# Altium PCB CMRat_GEN2.8.PcbDoc (part 3 of 4)
Units mm, origin at the board's own origin, x right, y up, seen from the top; angles counter-clockwise.
Board outline 120 x 55 mm, 4 copper layers (L1 [TOP], L2, L3, L4 [BOT]), stack 1.564 mm thick; 209 components, 138 nets, 839 pads, 645 vias.
Unrouted connection lines stored in the file: 141.
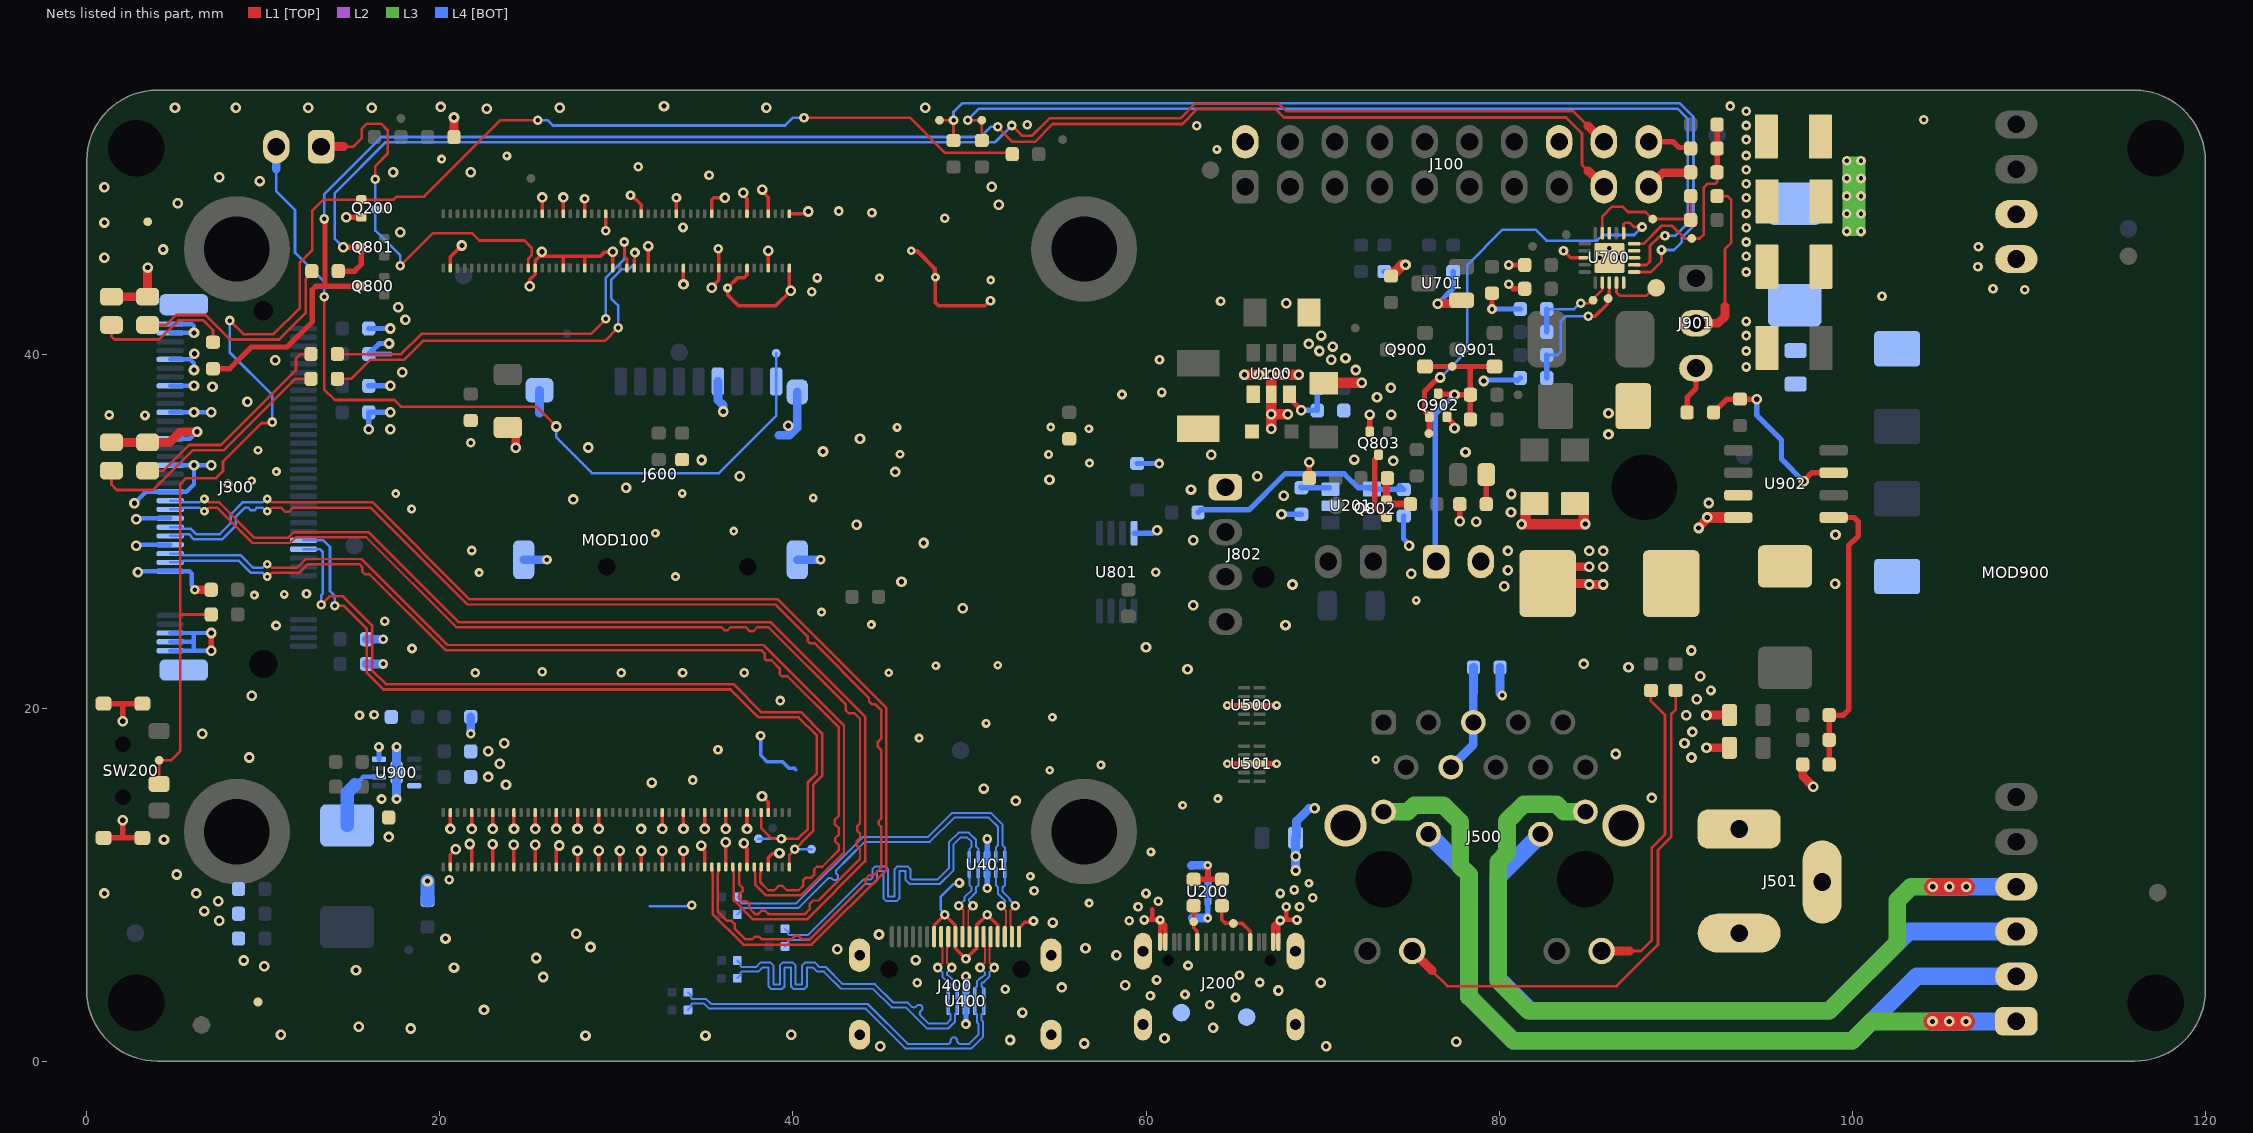
[diagram p5: the nets of this part, all layers, seen from the top]

## Via types
v1: diameter 0.55, hole 0.25, L1 [TOP] to L4 [BOT], 273 vias
v2: diameter 0.6, hole 0.3, L1 [TOP] to L4 [BOT], 225 vias
v3: diameter 0.5, hole 0.2, L1 [TOP] to L4 [BOT], 77 vias
v4: diameter 0.6, hole 0.3, L1 [TOP] to L4 [BOT], tented both sides, 70 vias

## Nets (pads, with @x,y where several pads share a name; then routed paths per layer and width w, separated by ;. In a path a pad name is that pad's centre, name@x,y a point inside that pad or via, vN(x,y) a via of type N, cw(c..) or ccw(c..) an arc to the next point about the centre after c; other vN are vias at no path point) (continued)
GND: C100.1 C200.1 C303.1 C304.1 C307.1 C308.1 C309.1 C310.1 C500.1 C613.1 C700.1 C701.1 C702.1 C703.1 C704.1 C800.1 C900.1 C902.1 C903.1 C904.1 C905.2 C906.1 C908.1 C909.1 C910.1 C911.1 C912.1 C913.1 C915.1 C916.1 C917.1 C918.1 C919.1 C920.1 C921.1 C922.1 D900.2 D903.2 J100.2 J100.16 J100.20 J200.A1 J200.A12 J200.B1 J200.B12 J200.SH J300.1 J300.3 J300.9 J300.15 J300.21 J300.27 J300.33 J300.39 J300.45 J300.51 J300.57 J300.71 J300.73 J300.75 J300.S1 J300.S2 J400.1 J400.4 J400.7 J400.10 J400.13 J400.SH J500.SH J501.2 J501.3 J600.6 J600.SH1 J600.SH2 J600.SH3 J600.SH4 J802.1 J900.2 J901.3 LED100.1 LED101.1 LED800.1 LED801.1 MOD100.1 MOD100.2 MOD100.7 MOD100.8 MOD100.13 MOD100.14 MOD100.22 MOD100.23 MOD100.32 MOD100.33 MOD100.42 MOD100.43 MOD100.52 MOD100.53 MOD100.59 MOD100.60 MOD100.65 MOD100.66 MOD100.71 MOD100.74 MOD100.98 MOD100.107 MOD100.108 MOD100.113 MOD100.114 MOD100.119 MOD100.120 MOD100.125 MOD100.126 MOD100.131 MOD100.132 MOD100.137 MOD100.138 MOD100.144 MOD100.150 MOD100.155 MOD100.156 MOD100.161 MOD100.162 MOD100.167 MOD100.168 MOD100.173 MOD100.174 MOD100.179 MOD100.180 MOD100.185 MOD100.186 MOD100.191 MOD100.192 MOD100.197 MOD100.198 MOD900.7 Q200.2 Q803.2 Q902.2 R100.2 R201.2 R202.1 R203.2 R205.2 R206.1 R400.1 R705.2 R706.1 R707.1 R713.1 R714.1 R901.1 R903.2 R905.1 R915.2 R920.2 SW200.SH TP916.1 TP917.1 TP920.1 TP921.1 U100.2 U200.3 U200.8 U201.2 U400.3 U400.8 U401.3 U401.8 U500.3 U500.8 U501.3 U501.8 U700.3 U700.EP U701.1 U801.4 U900.4 U900.8 U900.EP U902.4 | length 259.3
  L1 [TOP] w0.2: MOD100.198@20.6,11 20.6,11.7 v2(20.9,12) ; v2@20.6,13.13 v2(20.6,13.155) MOD100.197@20.6,14.08 ; MOD100.98@20.6,44.92 20.6,45.55 v2(21.25,46.2) ; v2(21.7,12.3) 21.7,12.192 21.8,12.092 MOD100.192@21.8,11 ; v2@21.8,13.13 v2(21.8,13.155) MOD100.191@21.8,14.08 ; v2(22.987,12.287) 23,12.274 MOD100.186@23,11 ; v2@23,13.13 v2(23,13.155) MOD100.185@23,14.08 ; v2(24.195,12.259) 24.2,12.254 MOD100.180@24.2,11 ; v2@24.2,13.13 v2(24.2,13.155) MOD100.179@24.2,14.08 ; v2(25.1,43.9) 25.1,44.277 25.4,44.577 MOD100.74@25.4,44.92 25.4,45.35 25.65,45.6 27,45.6 MOD100.66@27,44.92 ; MOD100.174@25.4,11 25.4,12.247 v2(25.403,12.25) ; v2@25.4,13.13 v2(25.4,13.155) MOD100.173@25.4,14.08 ; MOD100.71@25.8,48 v2(25.8,48.925) v2@25.8,48.95 ; MOD100.168@26.6,11 26.6,11.946 26.763,12.109 v2(26.763,12.217) ; v2@26.6,13.13 v2(26.6,13.155) MOD100.167@26.6,14.08 ; 27,45.598 29.098,45.598 29.331,45.831 29.786,45.831 v2(29.8,45.845) MOD100.52@29.8,44.92 ; MOD100.65@27,48 v2(27,48.925) v2@27,48.95 ; MOD100.162@27.8,11 v2(27.8,11.925) v2@27.8,11.95 ; v2@27.8,13.13 v2(27.8,13.155) MOD100.161@27.8,14.08 ; MOD100.60@28.2,44.92 28.2,45.6 ; MOD100.59@28.2,48 v1(28.2,48.85) ; MOD100.156@29,11 v2(29,11.925) v2@29,11.95 ; v2@29,13.13 v2(29,13.155) MOD100.155@29,14.08 ; v1(29.4,47.029) MOD100.53@29.4,48 ; MOD100.150@30.2,11 v2(30.2,11.925) v2@30.2,11.95 ; v1@30.8,49.1 31.4,48.5 MOD100.43@31.4,48 ; MOD100.144@31.4,11 v2(31.4,11.925) v2@31.4,11.95 ; MOD100.42@31.8,44.92 v2(31.8,46.17) ; MOD100.138@32.6,11 v2(32.6,11.925) v2@32.6,11.95 ; v2@32.6,13.13 v2(32.6,13.155) MOD100.137@32.6,14.08 ; MOD100.33@33.4,48 v1(33.4,48.911) ; MOD100.132@33.8,11 v2(33.8,11.925) v2@33.8,11.95 ; v2@33.8,13.13 v2(33.8,13.155) MOD100.131@33.8,14.08 ; v2@33.8,43.97 v2(33.8,43.995) MOD100.32@33.8,44.92 ; v2(34.802,12.21) 34.802,12.102 35,11.904 MOD100.126@35,11 ; v2@35,13.13 v2(35,13.155) MOD100.125@35,14.08 ; v2(35.4,43.8) 35.4,43.849 35.8,44.249 MOD100.22@35.8,44.92 35.8,46 v1(35.775,46.025) ; MOD100.23@35.4,48 35.4,48.783 35.517,48.9 v2(36.15,48.9) ; MOD100.120@36.2,11 v2(36.2,12.4) ; v2@36.2,13.13 v2(36.2,13.155) MOD100.119@36.2,14.08 ; v2(37.18,49.182) 37.18,49.074 37.4,48.855 MOD100.13@37.4,48 ; v2(37.225,12.349) 37.225,12.241 37.4,12.066 MOD100.114@37.4,11 ; v2@37.4,13.13 v2(37.4,13.155) MOD100.113@37.4,14.08 ; MOD100.14@37.4,44.92 37.4,44.554 37.208,44.363 36.863,44.363 v3(36.3,43.8) 36.3,43.4 36.9,42.8 39.032,42.8 v2(39.879,43.646) 39.879,43.755 39.8,43.833 MOD100.2@39.8,44.92 ; v2(38.25,15.005) 38.6,14.655 MOD100.107@38.6,14.08 ; v2(38.271,49.37) 38.271,49.262 38.6,48.933 MOD100.7@38.6,48 ; MOD100.108@38.6,11 38.6,11.515 38.831,11.746 39.201,11.746 v2(39.24,11.786) ; MOD100.8@38.6,44.92 38.6,45.282 v2(38.6,45.907) ; MOD100.1@39.8,48 40.628,48 40.753,48.125 v2(40.875,48.125) ; J400.13@48,7.05 48,7.7 v1(48.6,8.3) 49.2,7.7 J400.10@49.2,7.05 49.2,6.4 v1(49.8,5.8) 50.4,6.4 J400.7@50.4,7.05 50.4,7.7 v1(51,8.3) 51.6,7.7 J400.4@51.6,7.05 ; v3(48.074,44.407) 48.074,42.958 48.232,42.8 50.898,42.8 51.173,43.075 v1(51.19,43.075) ; J400.1@52.8,7.05 52.815,7.065 52.815,7.55 53.137,7.872 53.563,7.872 v1(53.63,7.939) ; v1(83.65,45.9) 84.05,45.5 U700.3@84.85,45.5
  L1 [TOP] w0.25: v3(46.7,45.9) 46.728,45.872 47.055,45.872 48.026,44.901 48.026,44.455 v3(48.074,44.407) ; v1(59.9,8) v3(60.8,8) 61.1,7.7 J200.B12@61.1,6.75 ; 60.35,8 60.35,8.6 ; J200.A1@60.8,6.75 v3(60.8,8) ; 60.8,7.65 60.9,7.55 61.1,7.55 ; J200.B1@67.2,6.75 67.2,7.7 v1@67.5,8 ; 67.2,7.55 67.4,7.55 67.5,7.65 ; J200.A12@67.5,6.75 v1@67.5,8 ; v1(67.604,7.965) 67.569,8 v1@67.5,8 ; 67.95,8 v1(67.95,8.75) ; v1(68.55,8) v1@67.5,8
  L1 [TOP] w0.3: SW200.SH@0.95,12.65 SW200.SH@3.134,12.65 ; SW200.SH@0.95,20.25 SW200.SH@3.134,20.25 ; 2.042,12.65 v2(2.042,13.65) ; v2(2.042,19.25) 2.042,20.25 ; v2(7.05,23.25) v2(7.05,24.25) ; v2(14.7,47.8) Q200.2@15.55,47.8 ; R203.2@62.7,10.3 63.5,10.3 ; v3(63.5,11.1) 63.5,10.3 ; R201.2@64.3,10.3 63.5,10.3 ; v3(64.6,16.85) U501.8@65.613,16.85 v3(67.4,16.85) ; v3(64.6,20.15) U500.8@65.612,20.15 v3(67.4,20.15) ; C905.2@69.25,33.025 v4(69.25,33.925) ; Q803.2@72.675,35.65 v4(72.675,36.625) ; Q902.2@77.05,36.5 77.05,36.45 77.475,36.025 v4(77.475,35.85) ; R901.1@77.762,31.537 R901.1@77.775,31.55 v4(77.775,30.575) ; v1(79.6,42.6) C704.1@79.6,43.5 ; v1(80.55,44) 80.8,43.75 C702.1@81.45,43.75 ; v1@80.6,45.1 C701.1@81.45,45.1 ; v4@80.663,31.112 v4(80.675,31.1) ; J100.20@88.48,52.07 89.88,52.07 90.201,51.749 90.801,51.749 C700.1@90.85,51.7 ; R915.2@90.65,36.75 90.65,37.6 91.15,38.1 J901.3@91.15,39.26
  L1 [TOP] w0.5: LED800.1@1.4,35.05 LED801.1@3.45,35.05 4.7,35.05 5.3,35.65 v2(6.25,35.65) ; LED101.1@1.4,43.3 LED100.1@3.45,43.3 v2(3.45,44.95) ; v1(6.119,26.7) R202.1@7.05,26.7 R202.1@7.069,26.7 ; R707.1@20.8,52.35 v2(20.8,53.45) ; C100.1@23.85,35.894 23.95,35.894 24.3,35.544 v2(24.3,34.75) ; v2(76.525,42.9) 76.544,42.919 77.694,42.919 U701.1@77.875,43.1 ; D903.2@82.75,26.1 D903.2@83.641,26.991 ; D903.2@82.75,27.05 85.023,27.05 85.073,27 v2(85.9,27) ; D903.2@82.75,28 v2(85.1,28) ; v2(91.3,30.2) 91.3,30.227 91.764,30.691 91.764,30.779 v2(91.783,30.798) ; v2(91.75,17.75) C908.1@93.05,17.75 ; v2(91.75,19.6) C909.1@93.05,19.6 ; R920.2@97.2,16.8 97.2,16.15 v2(97.8,15.55)
  L1 [TOP] w0.6: v4(65.575,38.875) v4(66.4,38.875) v4(67.1,38.875) ; v4(67.1,35.825) v4(67.1,36.65) ; v4(68.025,36.65) v4(67.1,36.65) ; v4(68.65,38.875) v4(67.825,38.875) v4(67.1,38.875) ; C904.1@70.075,38.4 70.1,38.425 v4(72.225,38.425) ; C703.1@73.875,44.475 73.9,44.475 74.525,45.1 v4(74.7,45.1) ; C906.1@81.925,31.5 C906.1@82,31.575 81.85,31.575 81.5,31.225 81.5,30.639 v4(81.275,30.414) 84.864,30.414 v4(84.875,30.425) 84.8,30.5 84.8,31.225 84.45,31.575 C902.1@84.3,31.575 ; v2(91.783,30.798) 91.786,30.795 U902.4@93.55,30.795 ; v4(67.1,36.65) U100.2@67.1,37.775 v4(67.1,38.875)
  L4 [BOT] w0.15: 31.897,8.778 34.205,8.778 v1(34.265,8.838) ; v1(48.6,8.3) 48.6,8.354 48.366,8.588 48.366,9.295 49.095,10.024 49.359,10.024 v1(49.431,10.096)
  L4 [BOT] w0.2: v1(38.169,18.434) 38.169,17.331 38.552,16.948 39.419,16.948 39.788,16.58 40.091,16.58 40.158,16.513
  L4 [BOT] w0.25: v4(2.7,31.6) 3.35,32.25 J300.39@4.725,32.25 5.65,32.25 6.075,32.675 v2(6.075,33.75) ; v4(2.8,29.2) 2.85,29.25 J300.51@4.725,29.25 ; v4(2.8,30.7) 2.85,30.75 J300.45@4.725,30.75 ; v2(2.9,27.7) 2.95,27.75 5.812,27.75 5.958,27.604 5.958,26.942 6.119,26.781 v1(6.119,26.7) ; J300.75@4.725,23.25 6.05,23.25 ; J300.73@4.725,23.75 6.051,23.75 6.05,23.749 6.05,23.25 ; J300.71@4.725,24.25 v2(7.05,24.25) ; J300.33@4.725,33.75 v2(6.075,33.75) ; J300.27@4.725,35.25 5.85,35.25 v2(6.25,35.65) ; J300.21@4.725,36.75 v2(6.075,36.75) v2(7.05,36.75) ; J300.15@4.725,38.25 v2(6.075,38.25) ; J300.9@4.725,39.75 5.85,39.75 6.075,39.525 v2(6.075,39.15) ; J300.3@4.725,41.25 v2(6.075,41.25) 6.075,41.625 5.95,41.75 J300.1@4.725,41.75 ; 6.05,23.75 6.05,24.25 ; v2(7.05,23.25) 6.05,23.25 ; v2(7.05,33.75) v2(6.075,33.75)
  L4 [BOT] w0.3: v2(15.975,35.8) C308.1@15.975,36.75 v2(17.2,36.75) ; C307.1@15.975,38.25 v2(17.2,38.25) ; C304.1@15.975,41.5 v2(17.2,41.5) ; U900.8@16.55,17.1 v1(16.55,17.8) ; v4(17.125,40.65) 16.575,40.65 16.202,40.277 16.197,40.277 15.975,40.055 C303.1@15.975,40.05 17.2,40.05 ; v1(49.8,2.1) U400.3@49.8,3.063 ; U400.8@49.8,3.838 v1(49.8,4.8) ; v1(51,9.8) U401.3@51,10.75 ; U401.3@51,11.025 v1(51,12.588) ; U801.4@59.325,29.9 v2@60.4,29.9 ; C800.1@59.5,33.85 v1(60.75,33.85) ; v3(63.5,8.1) U200.3@63.5,9.213 U200.8@63.5,9.988 v3(63.5,11.1) ; v4(67.675,30.975) R205.2@68.8,30.975 ; v2(67.9,24.7) v2@67.905,24.705 ; R706.1@73.5,44.725 74.325,44.725 v4(74.7,45.1) ; R206.1@74.6,30.875 74.587,30.862 74.587,29.594 74.9,29.281 v4(74.9,29.2) ; v2(76.525,42.9) 77.4,43.775 R705.2@77.4,44.725 ; v4(79.125,38.525) 79.182,38.582 80.978,38.582 81.025,38.535 81.025,38.525 R713.1@81.2,38.7 ; v1(79.6,42.6) R714.1@81.2,42.6
  L4 [BOT] w0.5: C309.1@15.85,22.5 v1(16.8,22.5) ; C310.1@15.85,23.9 v1(16.8,23.9) ; v1(17.55,14.85) v1(17.55,17.8) ; v1(21.75,18.55) C917.1@21.75,19.5 ; J600.SH3@24.75,28.4 v1(26.065,28.4) ; 25.65,36.7 J600.SH4@25.65,38 ; J600.6@35.75,38.5 35.75,37.45 36.05,37.15 v2(36.05,36.8) ; 39.2,35.45 39.8,35.45 40.243,35.893 40.243,37.893 J600.SH1@40.25,37.9 ; J600.SH2@40.25,28.4 v1(41.565,28.4) ; 62.575,11.075 62.6,11.1 v3(63.5,11.1) ; 62.625,8.1 v3(63.5,8.1) ; v4(68.475,10.8) v4(68.475,11.6) C200.1@68.475,12.65 68.531,12.706 68.531,13.606 69.231,14.306 69.531,14.306 v4(69.55,14.325) ; C500.1@80.05,22.3 80.05,20.859 80.18,20.729 v1(80.18,20.715)
  L4 [BOT] w0.8: C920.1@19.3,9.1 v2(19.3,10.2)
  other v1: 63.616,3.191 65.068,3.601 60.25,3.7 62.207,3.776 52.02,4.066 47.049,4.447 66.442,4.454 60.6,4.6 65.294,4.864 62.383,5.418 59.05,7.95 59.55,8.75 68.7,8.75 60.7,9.05 69.45,9.25 60,9.5 67.6,9.5 53.661,9.652 68.4,9.7 20.537,10.272 16.7,14.85 34.32,15.92 35.755,17.645 15.45,19.6 16.275,19.625 39.275,20.425 92,21 22,22 30.275,22 33.75,22 37.25,22 25.8,22.05 18.425,23.375 10.725,24.675 16.875,24.925 12.45,26.475 60.55,27.7 21.8,28.925 21.75,35.025 3.3,36.575 1.275,36.6 58.64,37.759 60.894,37.878 94,39.324 60.764,39.738 94,40.224 94,41.1 94,41.9 64.225,43.05 101.691,43.331 41.066,43.574 109.775,43.7 107.975,43.75 41.378,44.366 94,44.7 107.125,45 80.55,45.1 85.7,45.5 86.8,45.5 94,45.6 86.25,46.05 107.15,46.125 94,46.4 94,47.2 33.775,47.225 48.6,47.75 94,48 44.475,48.05 42.6,48.15 94,48.9 30.8,49.05 94,49.7 35.25,50.175 94,50.5 31.236,50.656 94,51.3 94,52.2 62.873,52.991 94,53 53.266,53.048 104.05,53.325 94,53.8 93.1,54.1
  other v2: 44.95,0.85 70.2,0.85 56.5,1 77.575,1.1 52.3,1.2 61.05,1.3 28.25,1.45 35.05,1.45 11,1.5 39.9,1.5 18.35,1.85 63.8,1.9 15.4,1.95 53,2.75 22.5,2.9 67.5,4 55.225,4.175 58.825,4.3 69.9,4.45 25.866,4.765 15.25,5.15 20.8,5.3 10.048,5.374 8.9,5.7 46.95,5.725 25.457,5.84 58.325,6 42.515,6.339 56.575,6.4 28.537,6.468 20.319,6.944 44.875,7.175 27.734,7.212 54.725,7.85 7.5,7.95 6.65,8.5 7.45,9.05 1,9.5 6.2,9.5 5.1,10.575 4.375,12.55 17.1,12.7 31.4,13.155 52.615,14.739 88.655,14.909 50.815,15.439 23.75,15.65 32.008,15.781 22.75,16.1 23.4,16.85 9.2,17.2 90.9,17.2 86.6,17.4 22.75,17.55 23.65,18 90.5,18 6.55,18.55 90.95,18.65 90.6,19.6 91.2,20.5 9.35,20.7 91.4,21.8 62.35,22.2 87.33,22.309 84.8,22.5 90.894,23.259 60,23.45 49.626,25.65 62.675,25.825 80.3,26.9 68.3,27 85.1,27 99.03,27.034 46.15,27.15 80.5,27.8 85.9,28 80.5,28.9 85.1,28.9 85.9,28.9 47.401,29.35 99.055,29.809 60.626,30.075 43.605,30.384 91.883,31.616 27.553,31.817 30.55,32.475 36.98,33.134 45.801,33.375 34.825,34.05 63.701,34.35 41.705,34.534 28.405,34.759 43.8,35.25 17.2,35.8 39.73,35.984 9.1,37.35 7.125,38.2 17.875,39.025 10.675,39.7 6.1,40.075 18.05,42 17.65,42.7 1,45.5 25.783,45.842 4.325,45.975 17.75,46.95 1,47.5 5.15,48.6 1,49.5 9.8,49.85 7.5,50.075 17.35,50.35 21.75,50.35 22.65,53.95 5,54 8.45,54 12.55,54 16.15,54 26.8,54 38.5,54 47.5,54 20.05,54.05 32.7,54.1
  other v3: 56.775,8.95 69.225,10.075 53.45,10.475 60.275,11.85 62.073,14.496 64.075,14.875 54.55,16.475 57.45,16.775 73.017,17.069 47.15,18.3 50.941,19.133 54.7,19.475 45.425,22 48.1,22.4 51.6,22.425 44.45,24.725 41.618,25.439 75.309,26.102 9.5,26.4 11.183,26.438 33.35,27.45 22.225,27.675 32.209,29.904 36.65,30.025 18.4,31.275 41.15,31.9 17.5,32.15 33.73,32.162 8,32.7 9.347,32.881 10.747,33.396 56.8,33.875 54.486,34.363 46.066,34.381 9.7,34.6 56.767,35.819 45.9,35.9 54.606,35.918 51.208,44.239 44.899,44.37 20.1,51.1 23.8,51.275 64.017,51.644
  other v4: 75.025,27.6 62.684,29.51 78.7,30.55 67.8,32.025 80.7,32.125 62.55,32.375 54.534,32.935 66.3,33.125 74,34 71.8,34.075 78.1,34.5 86.2,35.5 73.9,36.625 86.2,36.7 73.084,37.61 73.875,38.15 71.875,39.15 70.5,39.725 71.3,39.825 69.825,40.225 70.575,40.475 69.225,40.625 69.925,41.1 67.95,42.925 51.659,48.51 51.259,49.535
HDMI0_CLK'_N: C403.2@36.85,5.7 J400.12 U400.5 U400.6 | length 24.4
  L1 [TOP] w0.112: v1(48.2,5.3) 48.468,5.568 48.468,6.44 48.44,6.468 48.44,7.01 J400.12@48.4,7.05
  L4 [BOT] w0.112: C403.2@36.85,5.7 37.026,5.524 37.026,5.398 37.092,5.332 37.8,5.332 37.933,5.332 37.999,5.398 37.999,5.424 38.154,5.579 38.739,5.579 38.894,5.424 38.894,4.338 39.26,4.338 39.26,5.424 39.415,5.579 40,5.579 40.155,5.424 40.155,4.338 40.521,4.338 40.521,5.424 40.676,5.579 41.261,5.579 41.415,5.424 41.415,5.398 41.481,5.332 41.712,5.332 41.868,5.332 42.834,4.366 44.642,4.366 45.699,3.309 46.51,3.309 46.675,3.144 46.715,3.104 46.719,3.1 ccw(c46.848,3.229) 46.973,3.096 47.027,3.146 cw(c47.152,3.012) 47.286,3.137 cw(c47.152,3.012) 47.277,2.879 47.241,2.845 ccw(c47.366,2.711) 47.237,2.582 47.69,2.129 47.697,2.121 47.763,2.121 48.704,2.121 48.918,2.335 48.918,2.665 48.852,2.731 48.844,2.731 48.8,2.775 48.8,3.013 48.8,3.887 48.8,4.125 48.844,4.169 48.852,4.169 48.918,4.235 48.918,4.382 48.8,4.5 48.727,4.573 48.677,4.573 48.6,4.65 48.468,4.782 48.468,5.032 v1(48.2,5.3)
HDMI0_CLK'_P: C402.2@36.85,4.7 J400.11 U400.4 U400.7 | length 24.3
  L1 [TOP] w0.112: J400.11@48.8,7.05 48.76,7.01 48.76,6.468 48.732,6.44 48.732,5.568 v1(49,5.3)
  L4 [BOT] w0.112: C402.2@36.85,4.7 37.026,4.876 37.026,5.002 37.092,5.068 37.8,5.068 38.043,5.068 38.263,5.288 38.263,5.315 38.629,5.315 38.629,4.228 38.784,4.074 39.369,4.074 39.524,4.228 39.524,5.315 39.89,5.315 39.89,4.228 40.045,4.074 40.63,4.074 40.785,4.228 40.785,5.315 41.151,5.315 41.151,5.288 41.372,5.068 41.712,5.068 41.758,5.068 42.725,4.101 44.532,4.101 45.589,3.045 46.4,3.045 47.588,1.857 48.813,1.857 49.182,2.226 49.182,2.665 49.248,2.731 49.256,2.731 49.3,2.775 49.3,3.887 49.3,4.125 49.256,4.169 49.248,4.169 49.182,4.235 49.182,4.492 48.837,4.837 48.787,4.837 48.732,4.892 48.732,5.032 v1(49,5.3)
HDMI0_D0'_N: C407.2@39.55,6.5 J400.9 U401.5 U401.6 | length 24.5
  L1 [TOP] w0.112: v1(49.4,8.8) 49.668,8.532 49.668,7.66 49.64,7.632 49.64,7.09 J400.9@49.6,7.05
  L4 [BOT] w0.112: C407.2@39.55,6.5 39.726,6.676 39.726,6.802 39.792,6.868 40.942,6.868 44.11,10.036 44.3,10.036 44.543,10.036 44.763,10.256 44.763,10.766 45.129,10.766 45.129,9.224 45.284,9.069 45.869,9.069 46.024,9.224 46.024,10.766 46.39,10.766 46.39,10.256 46.611,10.036 48.157,10.036 48.31,10.036 49.1,10.826 49.1,12.285 49.495,12.68 49.855,12.68 50.118,12.417 50.118,12.133 50,12.015 U401.6@50,11.575 50,10.2 50,9.962 50.044,9.918 50.052,9.918 50.118,9.853 50.118,9.692 49.713,9.287 49.713,9.113 v1(49.4,8.8)
HDMI0_D0'_P: C406.2@39.55,7.5 J400.8 U401.4 U401.7 | length 24.9
  L1 [TOP] w0.112: J400.8@50,7.05 49.96,7.09 49.96,7.632 49.932,7.66 49.932,8.532 v1(50.2,8.8)
  L4 [BOT] w0.112: C406.2@39.55,7.5 39.726,7.324 39.726,7.198 39.792,7.132 40.832,7.132 44,10.3 44.3,10.3 44.433,10.3 44.499,10.366 44.499,10.876 44.654,11.031 45.239,11.031 45.394,10.876 45.394,9.333 45.76,9.333 45.76,10.876 45.915,11.031 46.5,11.031 46.655,10.876 46.655,10.366 46.72,10.3 48.157,10.3 48.2,10.3 48.836,10.936 48.836,12.394 49.386,12.944 49.965,12.944 50.382,12.527 50.382,12.145 50.5,12.028 U401.7@50.5,11.575 U401.4@50.5,10.7 50.5,9.962 50.456,9.918 50.448,9.918 50.382,9.853 50.382,9.582 49.977,9.177 49.977,9.085 50.2,8.862 v1(50.2,8.8)
HDMI0_D1'_N: C401.2@34.05,3.9 J400.6 U400.2 U400.9 | length 24.6
  L1 [TOP] w0.112: v1(50.6,5.3) 50.868,5.568 50.868,6.44 50.84,6.468 50.84,7.01 J400.6@50.8,7.05
  L4 [BOT] w0.112: C401.2@34.05,3.9 34.226,3.724 34.226,3.598 34.292,3.532 35.068,3.532 35.364,3.236 44.238,3.236 46.499,0.975 48.7,0.975 48.756,0.975 ccw(c48.756,1.158) 48.939,1.158 48.939,1.168 cw(c49.122,1.168) 49.305,1.168 49.305,1.158 ccw(c49.488,1.158) 49.488,0.975 49.744,0.975 50,0.975 50.509,1.484 50.509,2.117 50.418,2.208 50.418,2.665 50.352,2.731 50.344,2.731 50.3,2.775 50.3,3.012 50.3,3.887 50.3,4.125 50.344,4.169 50.352,4.169 50.418,4.235 50.418,4.518 50.55,4.65 50.627,4.727 50.704,4.727 50.813,4.837 50.868,4.892 50.868,5.032 v1(50.6,5.3)
HDMI0_D1'_P: C400.2@34.05,2.9 J400.5 U400.1 U400.10 | length 24.6
  L1 [TOP] w0.112: J400.5@51.2,7.05 51.16,7.01 51.16,6.468 51.132,6.44 51.132,5.568 v1(51.4,5.3)
  L4 [BOT] w0.112: C400.2@34.05,2.9 34.226,3.076 34.226,3.202 34.292,3.268 34.958,3.268 35.254,2.972 44.128,2.972 46.389,0.711 50.109,0.711 50.773,1.375 50.773,2.227 50.682,2.318 50.682,2.665 50.748,2.731 50.756,2.731 50.8,2.775 50.8,3.012 50.8,3.887 50.8,4.125 50.756,4.169 50.748,4.169 50.682,4.235 50.682,4.408 50.737,4.463 50.813,4.463 51.132,4.782 51.132,5.032 v1(51.4,5.3)
HDMI0_D2'_N: C405.2@36.85,8.3 J400.3 U401.2 U401.9 | length 24.5
  L1 [TOP] w0.112: v1(51.8,8.8) 52.068,8.532 52.068,7.66 52.04,7.632 52.04,7.09 J400.3@52,7.05
  L4 [BOT] w0.112: C405.2@36.85,8.3 37.026,8.476 37.026,8.602 37.092,8.668 40.31,8.668 41.671,10.029 41.97,10.327 cw(c42.099,10.198) 42.229,10.327 42.253,10.302 ccw(c42.383,10.432) 42.512,10.302 ccw(c42.383,10.432) 42.512,10.561 42.487,10.586 cw(c42.617,10.715) 42.487,10.845 43.121,11.479 44.062,12.42 47.758,12.42 49.138,13.8 51.104,13.8 51.618,13.286 51.618,12.218 51.5,12.1 U401.9@51.5,11.575 U401.2@51.5,10.7 51.5,9.962 51.544,9.918 51.552,9.918 51.618,9.853 51.618,9.49 52.008,9.101 52.008,9.008 v1(51.8,8.8)
HDMI0_D2'_P: C404.2@36.85,9.3 J400.2 U401.1 U401.10 | length 24.5
  L1 [TOP] w0.112: J400.2@52.4,7.05 52.36,7.09 52.36,7.632 52.332,7.66 52.332,8.532 v1(52.6,8.8)
  L4 [BOT] w0.112: C404.2@36.85,9.3 37.026,9.124 37.026,8.998 37.092,8.932 38.2,8.932 40.201,8.932 43.953,12.684 47.648,12.684 49.029,14.064 51.214,14.064 51.882,13.396 51.882,12.218 52,12.1 U401.10@52,11.575 U401.1@52,10.7 52,9.962 51.956,9.918 51.948,9.918 51.882,9.853 51.882,9.6 52.272,9.21 52.272,9.128 v1(52.6,8.8)
HW_VER0: R712.1 R714.2 TP910.1 U700.7 | length 5.3
  L1 [TOP] w0.15: v1(84.625,42.925) 85.075,42.925 85.838,43.688 85.838,44.088 U700.7@85.85,44.1
  L4 [BOT] w0.15: R714.2@82.7,42.6 84.243,42.6 84.568,42.925 v1(84.625,42.925)
  L4 [BOT] w0.3: R712.1@82.7,41.3 R714.2@82.7,42.6
HW_VER1: R711.1 R713.2 TP911.1 U700.8 | length 8.2
  L1 [TOP] w0.2: v1(85.05,42.2) 85.057,42.207 85.457,42.207 86.124,42.874 86.124,43.149 TP911.1@86.175,43.2 86.175,43.281 86.25,43.356 U700.8@86.25,44.1
  L4 [BOT] w0.15: R711.1@82.7,40 83.3,40 83.5,40.2 83.5,41.916 83.784,42.2 v1(85.05,42.2)
  L4 [BOT] w0.3: R713.2@82.7,38.7 R711.1@82.7,40
IR_RX: U700.10
ISP_UPDI: J901.2 R716.1 | length 9.4
  L1 [TOP] w0.15: R716.1@92.35,49 92.95,49 93.15,48.8 93.15,46.35 92.8,46 92.8,42.75
  L1 [TOP] w0.5: J901.2@91.15,41.8 92.4,41.8 92.8,42.2 92.8,42.75
LED_ACT_OUT: J100.17 Q800.3 R800.2 | length 94.7
  L1 [TOP] w0.15: v1(51.6,52.925) 52.45,52.075 53.701,52.075 54.708,53.082 62.056,53.082 62.896,53.922 67.333,53.922 67.805,53.45 83.8,53.45 84.7,52.55 84.7,50.765 85.04,50.425
  L1 [TOP] w0.3: R800.2@7.15,39.225 8.1,39.225 9.325,40.45 11.35,40.45 12.77,41.87 12.77,43.695 12.975,43.9 13.499,43.9 ; v1(13.45,47.706) 13.498,47.658 13.498,47.481 13.499,47.48 13.499,43.9 ; Q800.3@15.55,43.9 13.499,43.9
  L1 [TOP] w0.5: 85.04,50.425 J100.17@85.94,49.525
  L4 [BOT] w0.15: v1(13.45,47.706) 13.45,49.1 16.7,52.35 50.625,52.35 51.196,52.921 51.596,52.921 v1(51.6,52.925)
LED_PWR_OUT: J100.18 Q801.3 R802.2 | length 82.1
  L1 [TOP] w0.15: v1(52.4,53) 52.975,52.425 53.557,52.425 54.538,53.406 61.956,53.406 62.782,54.232 67.518,54.232 67.95,53.8 84.21,53.8 85.04,52.97
  L1 [TOP] w0.3: R802.2@14.25,44.75 15.175,44.75 15.55,45.125 Q801.3@15.55,46.1 v4(14.525,46.1)
  L1 [TOP] w0.5: 85.04,52.97 J100.18@85.94,52.07
  L4 [BOT] w0.15: v4(14.525,46.1) 14.05,46.575 14.05,49.166 16.934,52.05 51.45,52.05 v1(52.4,53)
MCU_PWR_SWI: Q902.1 TP907.1 U700.16 | length 23.8
  L1 [TOP] w0.15: TP907.1@76.025,35.55 76.037,35.562 TP907.1@76.05,35.575 ; U700.16@87.05,46.9 87.05,47.4 87.15,47.5 87.4,47.5 87.65,47.25 v1(88.1,47.25)
  L1 [TOP] w0.3: TP907.1@76.037,35.562 76.037,36.487 Q902.1@76.05,36.5 76.05,36.55 75.775,36.825 75.775,37.926 76.424,38.575 76.444,38.575 76.594,38.725 v4(76.675,38.725)
  L4 [BOT] w0.15: v4(76.675,38.725) 78.2,40.25 78.2,45.105 80.193,47.098 82.059,47.098 82.685,46.472 85.552,46.472 85.881,46.8 87.65,46.8 v1(88.1,47.25)
MCU_UPDI: R715.1 R716.2 TP906.1 U700.19 | length 7.8